# Altium PCB Gould.PcbDoc (part 1 of 2) (continued)
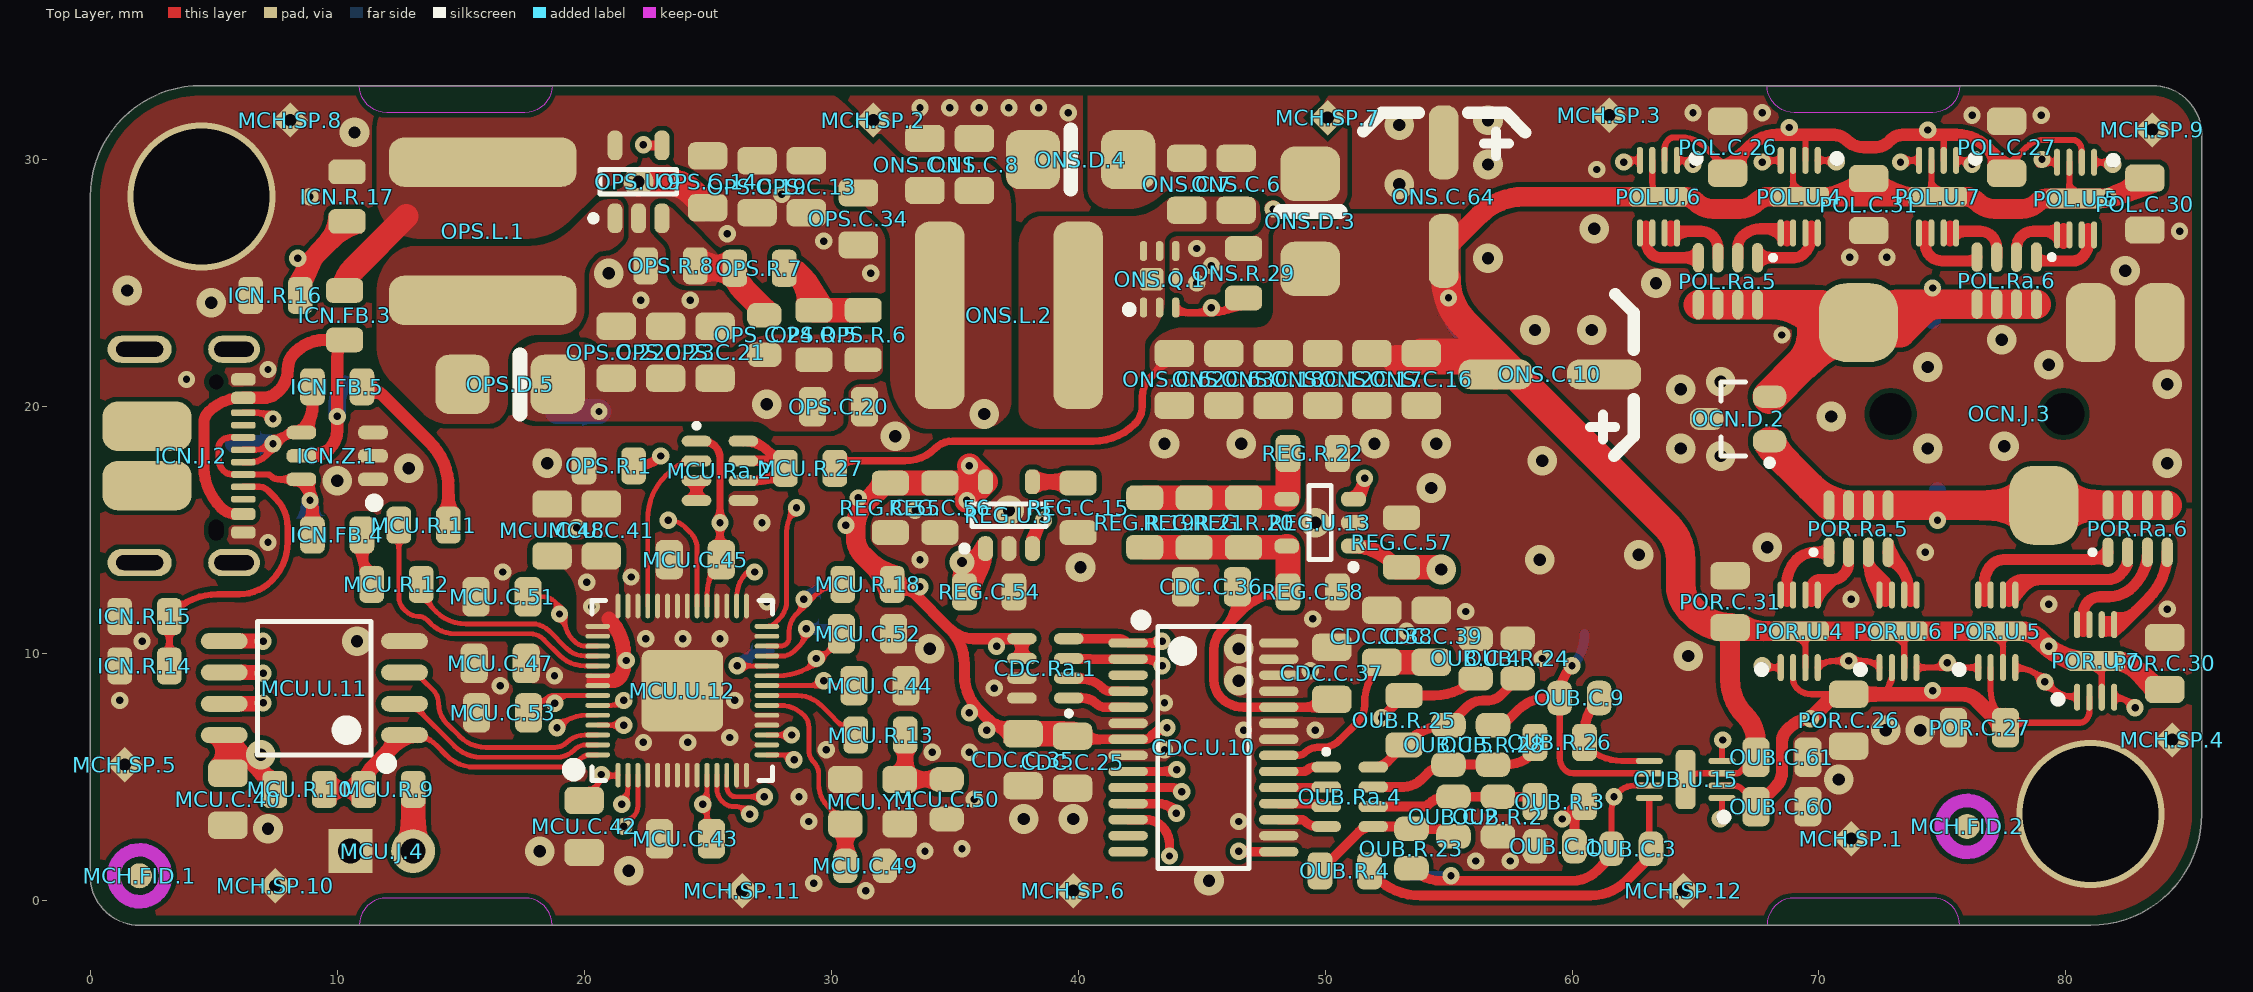
[diagram p0: Top Layer view]
## Design rules (kind name [scope] priority, off if disabled: settings) (continued)
PolygonConnect [All] p3: connectstyle=Direct reliefconductorwidth=0.5 reliefentries=4 polygonreliefangle="90 Angle" airgapwidth=0.25
RoutingVias [All] p1: holewidth=0.5 width=1 viastyle="Through Hole" minholewidth=0.2 minwidth=0.5 maxholewidth=6 maxwidth=8
ShortCircuit [Not (InPadClass('TraceResistorPads')) vs Not (InPadClass('TraceResistorPads'))] p1: allowed=FALSE
SilkToBoardRegionClearance [All] p1 off:
SilkToSilkClearance [All] p1 off: silktosilkclearance=0.254
SilkToSolderMaskClearance SilkscreenOverComponentPads [IsPad] p1: minsilkscreentomaskgap=0.102 clearancetoexposedcopper=FALSE
SolderMaskExpansion SolderMaskExpansion-Vias [IsVia] p1: expansion=0.102 istentingtop=TRUE // Rule to force all vias to be tented.
SolderMaskExpansion [All] p2: expansion=0.076 istentingtop=FALSE
Width [All] p1: maxlimit=50.8 minlimit=0.2 preferedwidth=0.4 substack1={769A8C6D-1C2C-4ABD-9F78-73D1337B8DA3} toplayer_{769a8c6d-1c2c-4abd-9f78-73d1337b8da3}_minwidth=0.26 midlayer1_{769a8c6d-1c2c-4abd-9f78-73d1337b8da3}_minwidth=0.26 midlayer2_{769a8c6d-1c2c-4abd-9f78-73d1337b8da3}_minwidth=0.26 midlayer3_{769a8c6d-1c2c-4abd-9f78-73d1337b8da3}_minwidth=0.26 midlayer4_{769a8c6d-1c2c-4abd-9f78-73d1337b8da3}_minwidth=0.26 bottomlayer_{769a8c6d-1c2c-4abd-9f78-73d1337b8da3}_minwidth=0.26 midlayer1_minwidth=0.35 midlayer2_minwidth=0.3 midlayer3_minwidth=0.3 midlayer4_minwidth=0.35 substack2={A03B90BE-C57E-4979-B836-CB99E35B1D7B} toplayer_{a03b90be-c57e-4979-b836-cb99e35b1d7b}_maxwidth=50 midlayer1_{a03b90be-c57e-4979-b836-cb99e35b1d7b}_minwidth=0.3 midlayer1_{a03b90be-c57e-4979-b836-cb99e35b1d7b}_maxwidth=50 midlayer2_{a03b90be-c57e-4979-b836-cb99e35b1d7b}_minwidth=0.3 midlayer2_{a03b90be-c57e-4979-b836-cb99e35b1d7b}_maxwidth=50 midlayer3_{a03b90be-c57e-4979-b836-cb99e35b1d7b}_minwidth=0.3 midlayer3_{a03b90be-c57e-4979-b836-cb99e35b1d7b}_maxwidth=50 midlayer4_{a03b90be-c57e-4979-b836-cb99e35b1d7b}_minwidth=0.3 midlayer4_{a03b90be-c57e-4979-b836-cb99e35b1d7b}_maxwidth=50 bottomlayer_{a03b90be-c57e-4979-b836-cb99e35b1d7b}_maxwidth=50 minimp=50.000000 maximp=50.000000 favimp=50.000000
15 further rules are at their usual default settings.

## Classes and differential pairs
component class ONS: ONS.C.6 ONS.C.7 ONS.C.8 ONS.C.10 ONS.C.11 ONS.C.12 ONS.C.16 ONS.C.17 ONS.C.18 ONS.C.62 ONS.C.63 ONS.C.64 ONS.D.3 ONS.D.4 ONS.L.2 ONS.Q.1 ONS.R.29 ONS.TP.16
component class OUB: OUB.C.1 OUB.C.2 OUB.C.3 OUB.C.4 OUB.C.5 OUB.C.9 OUB.C.60 OUB.C.61 OUB.R.2 OUB.R.3 OUB.R.4 OUB.R.23 OUB.R.24 OUB.R.25 OUB.R.26 OUB.R.28 OUB.Ra.3 OUB.Ra.4 OUB.Ra.7 OUB.TP.4 OUB.TP.10 OUB.U.15
component class REG: REG.C.15 REG.C.54 REG.C.55 REG.C.56 REG.C.57 REG.C.58 REG.R.19 REG.R.20 REG.R.21 REG.R.22 REG.U.3 REG.U.13
component class OPS: OPS.C.13 OPS.C.14 OPS.C.19 OPS.C.20 OPS.C.21 OPS.C.22 OPS.C.23 OPS.C.24 OPS.C.34 OPS.D.5 OPS.L.1 OPS.R.1 OPS.R.5 OPS.R.6 OPS.R.7 OPS.R.8 OPS.TP.17 OPS.U.9
component class MCU: MCU.C.40 MCU.C.41 MCU.C.42 MCU.C.43 MCU.C.44 MCU.C.45 MCU.C.47 MCU.C.48 MCU.C.49 MCU.C.50 MCU.C.51 MCU.C.52 MCU.C.53 MCU.J.4 MCU.R.9 MCU.R.10 MCU.R.11 MCU.R.12 MCU.R.13 MCU.R.18 MCU.R.27 MCU.Ra.2 MCU.TP.5 MCU.TP.6 MCU.TP.7 MCU.U.11 MCU.U.12 MCU.Y.1
component class CDC: CDC.C.25 CDC.C.35 CDC.C.36 CDC.C.37 CDC.C.38 CDC.C.39 CDC.Ra.1 CDC.U.10
channel class PowerAmplifier: POL POR
component class POR: POR.C.26 POR.C.27 POR.C.30 POR.C.31 POR.Ra.5 POR.Ra.6 POR.U.4 POR.U.5 POR.U.6 POR.U.7
component class POL: POL.C.26 POL.C.27 POL.C.30 POL.C.31 POL.Ra.5 POL.Ra.6 POL.U.4 POL.U.5 POL.U.6 POL.U.7
component class OCN: OCN.D.2 OCN.J.3 OCN.TP.13 OCN.TP.14 OCN.TP.15
component class ICN: ICN.FB.3 ICN.FB.4 ICN.FB.5 ICN.J.2 ICN.R.14 ICN.R.15 ICN.R.16 ICN.R.17 ICN.TP.1 ICN.TP.3 ICN.TP.12 ICN.Z.1
component class MCH: MCH.FID.1 MCH.FID.2 MCH.SP.1 MCH.SP.2 MCH.SP.3 MCH.SP.4 MCH.SP.5 MCH.SP.6 MCH.SP.7 MCH.SP.8 MCH.SP.9 MCH.SP.10 MCH.SP.11 MCH.SP.12

## Components (designator, comment, footprint, x,y, rotation, side; value= is the part's Value field where it differs from the comment)
CDC.C.25 "0805 X5R" "0805 - TALL" 39.775,5.6 r180 top value="0.1uF 100V" (schematic designator C25)
CDC.C.35 "0805 X5R" "0805 - TALL" 37.775,5.7 r180 top value="10uF 25V" (schematic designator C35)
CDC.C.36 "0805 X5R" "0805 - TALL" 45.4,12.7 r90 top value="10uF 25V" (schematic designator C36)
CDC.C.37 "0805 X5R" "0805 - TALL" 50.275,9.2 r0 top value="0.1uF 100V" (schematic designator C37)
CDC.C.38 "0805 X5R" "0805 - TALL" 52.3,10.7 r180 top value="10uF 25V" (schematic designator C38)
CDC.C.39 "0805 X5R" "0805 - TALL" 54.3,10.7 r180 top value="0.1uF 100V" (schematic designator C39)
CDC.Ra.1 "1206 Quad" "4X 1K 1% - CAC-80P320X160-8M" 38.675,9.4 r180 top value="1k 1%" (schematic designator Ra1)
CDC.U.10 "PCM3060" "PCM3060 - TSOP65P640X120-28M" 45.075,6.2 r0 top (schematic designator U10)
ICN.FB.3 "ACML-0805-601-T" 0805 10.3,23.7 r180 top (schematic designator FB3)
ICN.FB.4 "ACML-0805-601-T" 0805 10,14.8 r90 top (schematic designator FB4)
ICN.FB.5 "ACML-0805-601-T" 0805 10,20.8 r90 top (schematic designator FB5)
ICN.J.2 "DX07S016JA1R1500" DX07S016JA1R1500 3.2,18 r270 top (schematic designator J2)
ICN.R.14 "0805" 0805 2.2,9.5 r90 top value="10k 1%" (schematic designator R14)
ICN.R.15 "0805" 0805 2.2,11.5 r90 top value="10k 1%" (schematic designator R15)
ICN.R.16 "0805" 0805 7.5,24.5 r90 top value="10k 1%" (schematic designator R16)
ICN.R.17 "0805" 0805 10.4,28.5 r0 top value="10k 1%" (schematic designator R17)
ICN.TP.1 "TestPointHook" S2751-46R 5.8,18.5 r90 bottom (schematic designator TP1)
ICN.TP.3 "TestPointHook" S2751-46R 9,14.5 r180 bottom (schematic designator TP3)
ICN.TP.12 "TestPointHook" S2751-46R 10.3,20.9 r90 bottom (schematic designator TP12)
ICN.Z.1 "IP4220CZ6,125" "PESD3V3S4UD - SOT95P275X110-6N" 10,18 r180 top (schematic designator Z1)
MCH.FID.1 "IPC-7351 Fiducial 1mm" FIDUCIAL_1.5 2,1 r90 top (schematic designator FID1)
MCH.FID.2 "IPC-7351 Fiducial 1mm" FIDUCIAL_1.5 76,3 r90 top (schematic designator FID2)
MCH.SP.1 "Spark Gap" SparkGap 71.3,2.5 r90 top (schematic designator SP1)
MCH.SP.2 "Spark Gap" SparkGap 31.7,31.6 r90 top (schematic designator SP2)
MCH.SP.3 "Spark Gap" SparkGap 61.5,31.8 r90 top (schematic designator SP3)
MCH.SP.4 "Spark Gap" SparkGap 84.3,6.5 r90 top (schematic designator SP4)
MCH.SP.5 "Spark Gap" SparkGap 1.4,5.5 r90 top (schematic designator SP5)
MCH.SP.6 "Spark Gap" SparkGap 39.8,0.4 r90 top (schematic designator SP6)
MCH.SP.7 "Spark Gap" SparkGap 50.1,31.7 r90 top (schematic designator SP7)
MCH.SP.8 "Spark Gap" SparkGap 8.1,31.6 r90 top (schematic designator SP8)
MCH.SP.9 "Spark Gap" SparkGap 83.5,31.2 r90 top (schematic designator SP9)
MCH.SP.10 "Spark Gap" SparkGap 7.5,0.6 r90 top (schematic designator SP10)
MCH.SP.11 "Spark Gap" SparkGap 26.4,0.4 r90 top (schematic designator SP11)
MCH.SP.12 "Spark Gap" SparkGap 64.5,0.4 r90 top (schematic designator SP12)
MCU.C.40 "0805 X5R" "0805 - TALL" 5.575,4.1 r180 top value="0.1uF 100V" (schematic designator C40)
MCU.C.41 "0805 X5R" "0805 - TALL" 20.7,15 r0 top value="1uF 25V" (schematic designator C41)
MCU.C.42 "0805 X5R" "0805 - TALL" 20,3 r180 top value="0.1uF 100V" (schematic designator C42)
MCU.C.43 "0805 X5R" "0805 - TALL" 24.1,2.5 r90 top value="0.1uF 100V" (schematic designator C43)
MCU.C.44 "0805 X5R" "0805 - TALL" 31.975,8.7 r270 top value="0.1uF 100V" (schematic designator C44)
MCU.C.45 "0805 X5R" "0805 - TALL" 24.5,13.8 r90 top value="0.1uF 100V" (schematic designator C45)
MCU.C.47 "0805 X5R" "0805 - TALL" 16.6,9.6 r90 top value="0.1uF 100V" (schematic designator C47)
MCU.C.48 "0805 X5R" "0805 - TALL" 18.7,15 r0 top value="0.1uF 100V" (schematic designator C48)
MCU.C.49 "0603" 0603 31.375,1.4 r270 top value="18pF 50V" (schematic designator C49)
MCU.C.50 "0603" 0603 34.675,4.1 r0 top value="18pF 50V" (schematic designator C50)
MCU.C.51 "0805 X5R" "0805 - TALL" 16.675,12.3 r90 top value="1uF 25V" (schematic designator C51)
MCU.C.52 "0805 X5R" "0805 - TALL" 31.475,10.8 r270 top value="0.1uF 100V" (schematic designator C52)
MCU.C.53 "0805 X5R" "0805 - TALL" 16.7,7.6 r90 top value="0.1uF 100V" (schematic designator C53)
MCU.J.4 "HEADER2" 2x1 10.535,2 r90 top (schematic designator J4)
MCU.R.9 "0805" 0805 12.075,4.5 r270 top value="1k 1%" (schematic designator R9)
MCU.R.10 "0805" 0805 8.475,4.5 r90 top value="10k 1%" (schematic designator R10)
MCU.R.11 "0805" 0805 13.5,15.2 r90 top value="22R 1%" (schematic designator R11)
MCU.R.12 "0805" 0805 12.4,12.8 r270 top value="22R 1%" (schematic designator R12)
MCU.R.13 "0805" 0805 32,6.7 r90 top value="1k 1%" (schematic designator R13)
MCU.R.18 "0805" 0805 31.475,12.8 r270 top value="1k 1%" (schematic designator R18)
MCU.R.27 "0805" 0805 29.15,17.5 r270 top value="100k 1%" (schematic designator R27)
MCU.Ra.2 "1206 Quad" "4x 10k 1% - CAC-80P320X160-8M" 25.5,17.4 r0 top value="10k 1%" (schematic designator Ra2)
MCU.TP.5 "TestPointHook" S2751-46R 30.6,11.1 r90 bottom (schematic designator TP5)
MCU.TP.6 "TestPointHook" S2751-46R 30.6,12.8 r270 bottom (schematic designator TP6)
MCU.TP.7 "TestPointHook" S2751-46R 27.5,10.1 r180 bottom (schematic designator TP7)
MCU.U.11 "W25Q16JVSSIQ" "W25Q128JVS - SOIC127P790X216-8M" 9.075,8.6 r180 top (schematic designator U11)
MCU.U.12 "RP2040" "RP2040 - QFN40P700X700X90_HS-57M" 23.975,8.5 r90 top (schematic designator U12)
MCU.Y.1 "RH100-12.000-16-3030" RH100-12.000-16-3030 31.675,4 r0 top (schematic designator Y1)
OCN.D.2 "S23CC12" "S23CC12 - SOT90P240X110-3M" 66.725,19.5 r180 top (schematic designator D2)
OCN.J.3 "SJ-43514-SMT-TR" SJ-43514-SMT-TR 76.9,19.7 r180 top (schematic designator J3)
OCN.TP.13 "TestPointHook" S2751-46R 82.1,17.7 r90 bottom (schematic designator TP13)
OCN.TP.14 "TestPointHook" S2751-46R 74.8,16.6 r90 bottom (schematic designator TP14)
OCN.TP.15 "TestPointHook" S2751-46R 74.6,23.5 r90 bottom (schematic designator TP15)
ONS.C.6 "0805 X5R" "0805 - TALL" 46.4,29 r0 top value="10uF 25V" (schematic designator C6)
ONS.C.7 "0805 X5R" "0805 - TALL" 44.4,29 r0 top value="10uF 25V" (schematic designator C7)
ONS.C.8 "0805 X5R" "0805 - TALL" 35.8,29.8 r0 top value="10uF 25V" (schematic designator C8)
ONS.C.10 "UCM1C221MCL1GS" "SMT cap -  6.6mm x 6.6mm land" 59.1,21.3 r180 top value=220uF (schematic designator C10)
ONS.C.11 "0805 X5R" "0805 - TALL" 33.8,29.8 r0 top value="10uF 25V" (schematic designator C11)
ONS.C.12 "0805 X5R" "0805 - TALL" 49.9,21.1 r0 top value="10uF 25V" (schematic designator C12)
ONS.C.16 "0805 X5R" "0805 - TALL" 53.9,21.1 r0 top value="10uF 25V" (schematic designator C16)
ONS.C.17 "0805 X5R" "0805 - TALL" 51.9,21.1 r0 top value="10uF 25V" (schematic designator C17)
ONS.C.18 "0805 X5R" "0805 - TALL" 47.9,21.1 r0 top value="10uF 25V" (schematic designator C18)
ONS.C.62 "0805 X5R" "0805 - TALL" 43.9,21.1 r0 top value="10uF 25V" (schematic designator C62)
ONS.C.63 "0805 X5R" "0805 - TALL" 45.9,21.1 r0 top value="10uF 25V" (schematic designator C63)
ONS.C.64 "UCM1C221MCL1GS" "SMT cap -  6.6mm x 6.6mm land" 54.8,28.5 r270 top value=220uF (schematic designator C64)
ONS.D.3 "SSA210" "SSA210 - DO-214AC" 49.4,27.5 r0 top (schematic designator D3)
ONS.D.4 "SSA210" "SSA210 - DO-214AC" 40.1,30 r90 top (schematic designator D4)
ONS.L.2 "NRS8040T100MJGJ" NRS8040T100MJGJ 37.2,23.7 r0 top (schematic designator L2)
ONS.Q.1 "CSD16301Q2" "CSD16301Q2 - SON65P200X80_HS-7M" 43.3,25.155 r90 top (schematic designator Q1)
ONS.R.29 "0805" 0805 46.7,25.4 r0 top value="10k 1%" (schematic designator R29)
ONS.TP.16 "TestPointHook" S2751-46R 55.5,23 r90 bottom (schematic designator TP16)
OPS.C.13 "0805 X5R" "0805 - TALL" 29,28.9 r180 top value="10uF 25V" (schematic designator C13)
OPS.C.14 "0805 X5R" "0805 - TALL" 25,29.1 r180 top value="1uF 25V" (schematic designator C14)
OPS.C.19 "0805 X5R" "0805 - TALL" 27,28.9 r180 top value="10uF 25V" (schematic designator C19)
OPS.C.20 "0805 X5R" "0805 - TALL" 30.3,20 r270 top value="10uF 25V" (schematic designator C20)
OPS.C.21 "0805 X5R" "0805 - TALL" 25.3,22.2 r0 top value="10uF 25V" (schematic designator C21)
OPS.C.22 "0805 X5R" "0805 - TALL" 21.3,22.2 r0 top value="10uF 25V" (schematic designator C22)
OPS.C.23 "0805 X5R" "0805 - TALL" 23.3,22.2 r0 top value="1uF 25V" (schematic designator C23)
OPS.C.24 "0603" 0603 27.3,22.9 r180 top value="820pF 25V 5% C0G" (schematic designator C24)
OPS.C.34 "0805 X5R" "0805 - TALL" 31.1,27.6 r180 top value="10uF 25V" (schematic designator C34)
OPS.D.5 "SSA210" "SSA210 - DO-214AC" 17,20.9 r270 top (schematic designator D5)
OPS.L.1 "NRS8040T100MJGJ" NRS8040T100MJGJ 15.9,27.1 r270 top (schematic designator L1)
OPS.R.1 "0805" 0805 21,17.6 r90 top value="10k 1%" (schematic designator R1)
OPS.R.5 "0805" 0805 29.3,22.9 r0 top value="100k 1%" (schematic designator R5)
OPS.R.6 "0805" 0805 31.3,22.9 r0 top value="100k 1%" (schematic designator R6)
OPS.R.7 "0805" 0805 27.1,25.6 r90 top value="10k 1%" (schematic designator R7)
OPS.R.8 "0805" 0805 23.5,25.7 r90 top value="10k 1%" (schematic designator R8)
OPS.TP.17 "TestPointHook" S2751-46R 18.9,19.8 r90 bottom (schematic designator TP17)
OPS.U.9 "LM2735YMF" "LM2735XMF - SOT95P280X145-5M" 22.2,29.1 r90 top (schematic designator U9)
OUB.C.1 "0603" 0603 59.3,2.2 r90 top value="56pF 50V 5% C0G" (schematic designator C1)
OUB.C.2 "0603" 0603 55.2,3.4 r0 top value="820pF 25V 5% C0G" (schematic designator C2)
OUB.C.3 "0603" 0603 62.4,2.1 r90 top value="56pF 50V 5% C0G" (schematic designator C3)
OUB.C.4 "0603" 0603 56.1,9.8 r0 top value="56pF 50V 5% C0G" (schematic designator C4)
OUB.C.5 "0603" 0603 55,6.3 r0 top value="820pF 25V 5% C0G" (schematic designator C5)
OUB.C.9 "0603" 0603 60.3,8.2 r90 top value="56pF 50V 5% C0G" (schematic designator C9)
OUB.C.60 "0805 X5R" "0805 - TALL" 68.5,3.8 r270 top value="0.1uF 100V" (schematic designator C60)
OUB.C.61 "0805 X5R" "0805 - TALL" 68.5,5.8 r90 top value="0.1uF 100V" (schematic designator C61)
OUB.R.2 "0603" 0603 57,3.4 r0 top value="56k 1%" (schematic designator R2)
OUB.R.3 "0805" 0805 59.5,4 r90 top value="1k 1%" (schematic designator R3)
OUB.R.4 "0805" 0805 50.8,1.2 r90 top value="1k 1%" (schematic designator R4)
OUB.R.23 "0603" 0603 53.5,2.1 r0 top value="56k 1%" (schematic designator R23)
OUB.R.24 "0603" 0603 57.8,9.8 r180 top value="56k 1%" (schematic designator R24)
OUB.R.25 "0805" 0805 53.2,7.3 r180 top value="1k 1%" (schematic designator R25)
OUB.R.26 "0805" 0805 59.5,6.4 r90 top value="1k 1%" (schematic designator R26)
OUB.R.28 "0603" 0603 56.8,6.3 r180 top value="56k 1%" (schematic designator R28)
OUB.Ra.4 "1206 Quad" "4x 10k 1% - CAC-80P320X160-8M" 51,4.2 r0 top value="10k 1%" (schematic designator Ra4)
OUB.TP.4 "TestPointHook" S2751-46R 53.5,1 r90 bottom (schematic designator TP4)
OUB.TP.10 "TestPointHook" S2751-46R 60.5,10.8 r90 bottom (schematic designator TP10)
OUB.U.15 "OPA1688IDRGx" "OPA1688 - SON50P300X80_HS-9M" 64.6,4.9 r180 top (schematic designator U15)
POL.C.26 "0805 X5R" "0805 - TALL" 66.3,30.5 r0 top value="0.1uF 100V" (schematic designator C26)
POL.C.27 "0805 X5R" "0805 - TALL" 77.6,30.5 r0 top value="0.1uF 100V" (schematic designator C27)
POL.C.30 "0805 X5R" "0805 - TALL" 83.2,28.2 r0 top value="0.1uF 100V" (schematic designator C30)
POL.C.31 "0805 X5R" "0805 - TALL" 72.012,28.178 r0 top value="0.1uF 100V" (schematic designator C31)
POL.Ra.5 "1206 Quad" "4X 1R 5% - CAC-80P320X160-8M" 66.312,25.078 r270 top value="1R 5%" (schematic designator Ra5)
POL.Ra.6 "1206 Quad" "4X 1R 5% - CAC-80P320X160-8M" 77.6,25.1 r270 top value="1R 5%" (schematic designator Ra6)
POL.U.4 "OPA1688IDRGx" "OPA1688 - SON50P300X80_HS-9M" 69.2,28.5 r270 top (schematic designator U4)
POL.U.5 "OPA1688IDRGx" "OPA1688 - SON50P300X80_HS-9M" 80.387,28.422 r270 top (schematic designator U5)
POL.U.6 "OPA1688IDRGx" "OPA1688 - SON50P300X80_HS-9M" 63.5,28.5 r270 top (schematic designator U6)
POL.U.7 "OPA1688IDRGx" "OPA1688 - SON50P300X80_HS-9M" 74.8,28.5 r270 top (schematic designator U7)
POR.C.26 "0805 X5R" "0805 - TALL" 71.2,7.3 r180 top value="0.1uF 100V" (schematic designator C26)
POR.C.27 "0805 X5R" "0805 - TALL" 76.5,7 r90 top value="0.1uF 100V" (schematic designator C27)
POR.C.30 "0805 X5R" "0805 - TALL" 84,9.6 r180 top value="0.1uF 100V" (schematic designator C30)
POR.C.31 "0805 X5R" "0805 - TALL" 66.4,12.1 r180 top value="0.1uF 100V" (schematic designator C31)
POR.Ra.5 "1206 Quad" "4X 1R 5% - CAC-80P320X160-8M" 71.6,15.05 r90 top value="1R 5%" (schematic designator Ra5)
POR.Ra.6 "1206 Quad" "4X 1R 5% - CAC-80P320X160-8M" 82.9,15.05 r90 top value="1R 5%" (schematic designator Ra6)
POR.U.4 "OPA1688IDRGx" "OPA1688 - SON50P300X80_HS-9M" 69.2,10.9 r90 top (schematic designator U4)
POR.U.5 "OPA1688IDRGx" "OPA1688 - SON50P300X80_HS-9M" 77.2,10.9 r90 top (schematic designator U5)
POR.U.6 "OPA1688IDRGx" "OPA1688 - SON50P300X80_HS-9M" 73.2,10.9 r90 top (schematic designator U6)
POR.U.7 "OPA1688IDRGx" "OPA1688 - SON50P300X80_HS-9M" 81.2,9.7 r90 top (schematic designator U7)
REG.C.15 "0805" 0805 40,15.9 r180 top value="100pF 100V" (schematic designator C15)
REG.C.54 "0805" 0805 36.4,12.5 r270 top value="1uF 25V" (schematic designator C54)
REG.C.55 "0805" 0805 32.4,15.9 r180 top value="10uF 25V" (schematic designator C55)
REG.C.56 "0805" 0805 34.4,15.9 r180 top value="1uF 25V" (schematic designator C56)
REG.C.57 "0805" 0805 53.1,14.5 r0 top value="1uF 25V" (schematic designator C57)
REG.C.58 "0805" 0805 49.5,12.5 r270 top value="1uF 25V" (schematic designator C58)
REG.R.19 "0805" 0805 42.7,15.3 r0 top value="10k 1%" (schematic designator R19)
REG.R.20 "0805" 0805 46.7,15.3 r0 top value="10k 1%" (schematic designator R20)
REG.R.21 "0805" 0805 44.7,15.3 r0 top value="100k 1%" (schematic designator R21)
REG.R.22 "0805" 0805 49.5,18.1 r270 top value="1k 1%" (schematic designator R22)
REG.U.3 "AP2202K-3.3" "AP2202 - SOT95P270X145-5N" 37.2,15.6 r90 top (schematic designator U3)
REG.U.13 "AP7330-W5" "AP7330-W5 - SOT95P270X145-5N" 49.8,15.3 r180 top (schematic designator U13)

## Footprints (in the part's own frame and the unit in brackets; to place one, negate y for a bottom-side part, rotate by r counter-clockwise, add the part's x,y. Pads: shape width x height; smd on the part's side, far side on the other; paste and mask are expansions set on the pad)
2x1 [mil]
  rect 70x70 hole 40 paste-3897.64: 1(0,0)
  round 70 hole 40 paste-3897.64: 2(0,-100)
  body extent -50,-150 50,50, height 339
"4X 1K 1% - CAC-80P320X160-8M" [mm] "Chip Array, Concave, 8-Leads, Pitch 0.80mm,  Body 3.20x1.60mm,  IPC Low Density"
  oval 1.2x0.45 smd paste-99: 1(-0.95,1.2) 2(-0.95,0.4) 3(-0.95,-0.4) 4(-0.95,-1.2) 5(0.95,-1.2) 6(0.95,-0.4) 7(0.95,0.4) 8(0.95,1.2)
  silkscreen extent -1,1.78 -0.9,1.87, body extent -0.9,-1.7 0.9,1.7, height 0.6
"4X 1R 5% - CAC-80P320X160-8M" [mm] "Chip Array, Concave, 8-Leads, Pitch 0.80mm,  Body 3.20x1.60mm,  IPC Low Density"
  oval 1.2x0.45 smd paste-99: 1(-0.95,1.2) 2(-0.95,0.4) 3(-0.95,-0.4) 4(-0.95,-1.2) 5(0.95,-1.2) 6(0.95,-0.4) 7(0.95,0.4) 8(0.95,1.2)
  silkscreen extent -1,1.78 -0.9,1.88, body extent -0.9,-1.7 0.9,1.7, height 0.6
"4x 10k 1% - CAC-80P320X160-8M" [mm] "Chip Array, Concave, 8-Leads, Pitch 0.80mm,  Body 3.20x1.60mm,  IPC Low Density"
  oval 1.2x0.45 smd paste-99: 1(-0.95,1.2) 2(-0.95,0.4) 3(-0.95,-0.4) 4(-0.95,-1.2) 5(0.95,-1.2) 6(0.95,-0.4) 7(0.95,0.4) 8(0.95,1.2)
  silkscreen extent -1,1.78 -0.9,1.87, body extent -0.9,-1.7 0.9,1.7, height 0.6
0603 [mm] "Chip Capacitor, 2-Leads, Body 1.6x0.8mm, IPC Medium Density"
  rrect70% 1.4x1 smd paste+0: 1(0,-0.8) 2(0,0.8)
  body extent -0.48,-0.88 0.48,0.87, height 0.65
0805 [mm] "Chip Capacitor, 2-Leads, Body 2.0x1.3mm, IPC Medium Density"
  rrect50% 1.5x1 smd paste+0: 1(0,1.002) 2(0,-1.002)
  body extent -0.72,-1.1 0.72,1.1, height 0.8
"0805 - TALL" [mm] "Same as 0805 footprint, but solder mask is adjusted to leave more paste behind for tall (>0.9mm) components like big caps, which tend to be solder-starved on the regular footprint."
  rrect50% 1.6x1.1 smd paste+0: 1(0,1.052) 2(0,-1.052)
  body extent -0.72,-1.1 0.72,1.1, height 0.8
"AP2202 - SOT95P270X145-5N" [mm] "SOT23, 5-Leads, Body 2.92x2.70mm, Pitch 0.95mm, IPC Medium Density"
  rrect80% 1x0.6 smd paste-0.04: 1(-1.35,0.95) 2(-1.35,0) 3(-1.35,-0.95) 4(1.35,-0.95) 5(1.35,0.95)
  silkscreen extent -1.47,-1.5 0.45,1.92, body extent -0.85,-1.52 0.85,1.52, height 1.45
"AP7330-W5 - SOT95P270X145-5N" [mm] "SOT23, 5-Leads, Body 2.92x2.70mm, Pitch 0.95mm, IPC Medium Density"
  rrect80% 1x0.6 smd paste-0.04: 1(-1.35,0.95) 2(-1.35,0) 3(-1.35,-0.95) 4(1.35,-0.95) 5(1.35,0.95)
  silkscreen extent -1.48,-1.5 0.45,1.92, body extent -0.85,-1.52 0.85,1.52, height 1.45
"CSD16301Q2 - SON65P200X80_HS-7M" [mm] "SON, 6-Leads, Body 2.00x2.00mm, Pitch 0.65mm, Thermal Pad 0.95x0.89mm, IPC Low Density"
  rrect80% 0.8x0.3 smd paste-99 mask+0.06: D(-1.145,0) D(-1.145,0.65) D(1.145,0) D(1.145,0.65) G(-1.145,-0.65) S(0.05,-0.65) S(1.145,-0.65)
  rrect30% 0.9x0.95 smd paste-99 mask+0.06: D(0,0.325)
  silkscreen extent -1.27,1.18 -1.18,1.27, body extent -1.05,-1.05 1.05,1.05, height 0.8
DX07S016JA1R1500 [mm] "USB-C (USB TYPE-C) USB 2.0 Receptacle Connector 24 (16+8 Dummy) Position Surface Mount, Right Angle; Through Hole"
  rrect70% 0.5x1 smd paste-0.05 mask+0.05: 1(-3.1,3) 2(-2.35,3) 11(2.35,3) 12(3.1,3)
  rrect70% 0.27x1 smd paste-0.04 mask+0.05: 3(-1.75,3) 4(-1.25,3) 5(-0.75,3) 6(-0.25,3) 7(0.25,3) 8(0.75,3) 9(1.25,3) 10(1.75,3)
  rrect100% 1.1x2.1 hole 0.6 slot 1.6 at 90 deg paste-99 mask+0.1: SHELL(-4.32,2.625) SHELL(4.32,2.625)
  rrect100% 1.1x2.6 hole 0.6 slot 1.9 at 90 deg paste-99 mask+0.1: SHELL(-4.32,-1.2) SHELL(4.32,-1.2)
  rrect60% 2x3.6 smd paste-0.12 mask+0.05: SHELL(-1.2,-0.9) SHELL(1.2,-0.9)
  round 0 hole 0.6: ""(-3,1.9)
  round 0 hole 0.6 slot 0.85 at 0 deg: ""(3,1.9)
  body extent -4.47,-3.65 4.47,3.25, height 3.18
FIDUCIAL_1.5 [mil]
  round 40 smd paste-60 mask+30: 1(0,0)
  Top Layer keep-out circle w21.65: c0,0 r41.34
"LM2735XMF - SOT95P280X145-5M" [mm] "SOT23, 5-Leads, Body 2.90x2.80mm, Pitch 0.95mm, IPC Low Density"
  rrect80% 1.2x0.6 smd paste-0.04: 1(-1.475,0.95) 2(-1.475,0) 3(-1.475,-0.95) 4(1.475,-0.95) 5(1.475,0.95)
  silkscreen extent -1.6,-1.55 0.5,1.95, body extent -0.88,-1.52 0.87,1.53, height 1.45
NRS8040T100MJGJ [mm] "Inductor"
  rrect60% 2x7.6 smd paste-99: 1(-2.8,0) 2(2.8,0)
  body extent -4,-4 4,4, height 3.3
"OPA1688 - SON50P300X80_HS-9M" [mm] "SON, 8-Leads, Body 3.00x3.00mm, Pitch 0.50mm, Thermal Pad 2.00x1.20mm, IPC Low Density"
  rrect100% 1.1x0.25 smd paste-99: 1(-1.47,0.75) 2(-1.47,0.25) 3(-1.47,-0.25) 4(-1.47,-0.75) 5(1.47,-0.75) 6(1.47,-0.25) 7(1.47,0.25) 8(1.47,0.75)
  rrect50% 0.8x2.4 smd paste-99: 3(0,0)
  silkscreen extent -1.6,1.48 -1.5,1.57, body extent -1.55,-1.55 1.55,1.55, height 0.8
"PCM3060 - TSOP65P640X120-28M" [mm] "TSOP, 28-Leads, Body 9.70x4.40mm, Pitch 0.65mm, IPC Low Density"
  oval 1.6x0.38 smd paste-99: 1(-3.05,4.225) 2(-3.05,3.575) 3(-3.05,2.925) 4(-3.05,2.275) 5(-3.05,1.625) 6(-3.05,0.975) 7(-3.05,0.325) 8(-3.05,-0.325) 9(-3.05,-0.975) 10(-3.05,-1.625) 11(-3.05,-2.275) 12(-3.05,-2.925) 13(-3.05,-3.575) 14(-3.05,-4.225) 15(3.05,-4.225) 16(3.05,-3.575) 17(3.05,-2.925) 18(3.05,-2.275) 19(3.05,-1.625) 20(3.05,-0.975) 21(3.05,-0.325) 22(3.05,0.325) 23(3.05,0.975) 24(3.05,1.625) 25(3.05,2.275) 26(3.05,2.925) 27(3.05,3.575) 28(3.05,4.225)
  silkscreen extent -2.65,-4.9 1.85,5.27, body extent -2.25,-4.9 2.25,4.9, height 1.2
"PESD3V3S4UD - SOT95P275X110-6N" [mm] "SOT23, 6-Leads, Body 2.90x2.75mm, Pitch 0.95mm, IPC Medium Density"
  rrect80% 1.2x0.55 smd paste-0.03 mask+0.085: 1(-1.45,0.95) 2(-1.45,0) 3(-1.45,-0.95) 4(1.45,-0.95) 5(1.45,0) 6(1.45,0.95)
  silkscreen extent -1.63,1.78 -1.38,2.02, body extent -0.85,-1.55 0.85,1.55, height 1.1
RH100-12.000-16-3030 [mm] "3.2mm x 2.5mm crystal"
  rrect50% 1.4x1.1 smd paste-0.1: 1(-1.1,-0.9) 2(1.1,-0.9) 3(1.1,0.9) 4(-1.1,0.9)
  body extent -1.6,-1.25 1.6,1.25, height 1
"RP2040 - QFN40P700X700X90_HS-57M" [mm] "QFN, 56-Leads, Body 7.00x7.00mm, Pitch 0.40mm, Thermal Pad 3.10x3.10mm, IPC Low Density"
  oval 1x0.2 smd paste-99 mask+0.05: 1(-3.425,2.6) 2(-3.425,2.2) 3(-3.425,1.8) 4(-3.425,1.4) 5(-3.425,1) 6(-3.425,0.6) 7(-3.425,0.2) 8(-3.425,-0.2) 9(-3.425,-0.6) 10(-3.425,-1) 11(-3.425,-1.4) 12(-3.425,-1.8) 13(-3.425,-2.2) 14(-3.425,-2.6) 29(3.425,-2.6) 30(3.425,-2.2) 31(3.425,-1.8) 32(3.425,-1.4) 33(3.425,-1) 34(3.425,-0.6) 35(3.425,-0.2) 36(3.425,0.2) 37(3.425,0.6) 38(3.425,1) 39(3.425,1.4) 40(3.425,1.8) 41(3.425,2.2) 42(3.425,2.6)
  oval 0.2x1 smd paste-99 mask+0.05: 15(-2.6,-3.425) 16(-2.2,-3.425) 17(-1.8,-3.425) 18(-1.4,-3.425) 19(-1,-3.425) 20(-0.6,-3.425) 21(-0.2,-3.425) 22(0.2,-3.425) 23(0.6,-3.425) 24(1,-3.425) 25(1.4,-3.425) 26(1.8,-3.425) 27(2.2,-3.425) 28(2.6,-3.425) 43(2.6,3.425) 44(2.2,3.425) 45(1.8,3.425) 46(1.4,3.425) 47(1,3.425) 48(0.6,3.425) 49(0.2,3.425) 50(-0.2,3.425) 51(-0.6,3.425) 52(-1,3.425) 53(-1.4,3.425) 54(-1.8,3.425) 55(-2.2,3.425) 56(-2.6,3.425)
  rrect20% 3.3x3.3 smd paste-99: 57(0,0)
  silkscreen extent -3.65,-3.65 3.65,4.52, body extent -3.5,-3.5 3.5,3.5, height 0.9
"S23CC12 - SOT90P240X110-3M" [mm] "SOT23, 3-Leads, Body 2.90x2.40mm, Pitch 0.90mm, IPC Low Density"
  rrect80% 1.35x0.9 smd paste-0.05: 1(-1.275,0.9) 2(-1.275,-0.9) 3(1.275,0)
  silkscreen extent -1.4,-1.5 0.7,1.9, body extent -0.7,-1.5 0.7,1.5, height 1.1
S2751-46R [mm]
  rrect40% 1.4x2.2 smd paste-0.051 mask+0.09: 1(0,0)
  body extent -0.6,-1 0.6,1, height 1.38
SJ-43514-SMT-TR [mm] "3.50mm (0.141\", 1/8\", Mini Plug) - Headphone Phone Jack Stereo (4 Conductor, TRRS) Connector Solder"
  rrect70% 2x3.2 smd paste-0.05: 1(-6.9,-3.7) 4(-4.1,-3.7)
  rrect70% 3.2x3.2 smd paste-0.05: 2(5.3,-3.7)
  rrect70% 2.8x3.2 smd paste-0.05: 3(-2.2,3.7)
  round 0 hole 1.7: 22(-3,0) 22(4,0)
  body extent -9.2,-4.5 8,4.5, height 5.1
"SMT cap -  6.6mm x 6.6mm land" [mm] "Electrolytic capacitor"
  rrect80% 3x1.2 smd paste-99: 1(-2.2,0) 2(2.2,0)
  silkscreen extent -3.4,-3.25 -1.63,3.3, body extent -3.3,-3.3 3.3,3.3, height 5.8
SparkGap [mil]
  rect 40x40 smd rot 45 paste-99 mask+4: 1(0,0)
  rect 40x40 smd far side rot 45 paste-99 mask+4: 1(0,0)
"SSA210 - DO-214AC" [mm] "Molded Diode, 2-Leads, Body 4.3x2.6mm, IPC LOW Density"
  rrect50% 2.4x2.2 smd paste-0.1: 1(0,1.925) 2(0,-1.925)
  silkscreen extent -1.2,0.4 1.2,0.4, body extent -1.46,-2.3 1.46,2.3, height 2.44
"W25Q128JVS - SOIC127P790X216-8M" [mm] "SOIC, 8-Leads, Body 5.28x5.28mm, Pitch 1.27mm, IPC Low Density"
  oval 1.9x0.65 smd paste-0.05: 1(-3.65,1.905) 2(-3.65,0.635) 3(-3.65,-0.635) 4(-3.65,-1.905) 5(3.65,-1.905) 6(3.65,-0.635) 7(3.65,0.635) 8(3.65,1.905)
  silkscreen extent -3.05,-2.7 2.3,3.17, body extent -2.7,-2.7 2.7,2.7, height 2.16

## Part data
CDC.C.25 CDC.C.37 CDC.C.39 MCU.C.40 MCU.C.42 MCU.C.43 MCU.C.44 MCU.C.45 MCU.C.47 MCU.C.48 MCU.C.52 MCU.C.53 OUB.C.60 OUB.C.61 POL.C.26 POL.C.27 POL.C.30 POL.C.31 POR.C.26 POR.C.27 POR.C.30 POR.C.31: library part "Cap 0.1uF 100V", "0805, X5R or better", Supplier Part Number 1=1276-6840-2-ND, Supplier 1=Digi-Key
CDC.C.35 CDC.C.36 CDC.C.38 ONS.C.6 ONS.C.7 ONS.C.8 ONS.C.11 ONS.C.12 ONS.C.16 ONS.C.17 ONS.C.18 ONS.C.62 ONS.C.63 OPS.C.13 OPS.C.19 OPS.C.20 OPS.C.21 OPS.C.22 OPS.C.34 REG.C.55: library part "Cap 10uF 25V", "0805, X5R or better", Supplier Part Number 1=81-GRM21BR61E106KA3L, Supplier 1=Mouser, Supplier 2=Digi-Key, Supplier Part Number 2=490-5523-1-ND
  REG.C.55: PNP-A=0, PNP-da=0, PNP-dx=0, PNP-dy=0, PNP-FeedType=Tape, PNP-Level=1, PNP-Lv=1, PNP-Nzl=2, PNP-PlacePriority=1, PNP-Pt=0, PNP-TapeIndex=1, PNP-TapeWidth=8, PNP-Thk=1.25, PNP-TS=70, PNP-Type=chi, PNP-Voff=0, PNP-W=0, PNP-X=2.00, PNP-Y=1.25
CDC.Ra.1: library part "Quad Res 1k 1% 1206", "Chip resistor"
CDC.U.10: "24-BIT, 96/192-kHz ASYNCHRONOUS STEREO AUDIO CODEC"
ICN.FB.3 ICN.FB.4 ICN.FB.5: "FERRITE BEAD 600 OHM 0805 1LN", Supplier Part Number 1=535-12556-1-ND, PNP-A=0, PNP-da=0, PNP-dx=0, PNP-dy=0, PNP-FeedType=Tape, PNP-Level=1, PNP-Lv=1, PNP-Nzl=2, PNP-PlacePriority=1, PNP-Pt=0, PNP-TapeIndex=1, PNP-TapeWidth=8, PNP-Thk=0.55, PNP-TS=70, PNP-Type=chi, PNP-Voff=0, PNP-W=0, PNP-X=2.00, PNP-Y=1.25, Supplier 1=Digi-Key
ICN.J.2: "USB-C (USB TYPE-C) USB 2.0 Receptacle Connector 24 (16+8 Dummy) Position Surface Mount, Right Angle; Through Hole", Supplier Part Number 1=670-DX07S016JA1R1500CT-ND, Supplier 1=Digi-Key, Supplier 2=Mouser, Supplier Part Number 2=656-DX07S016JA1R1500
ICN.R.14 ICN.R.15 ICN.R.16 ICN.R.17 MCU.R.10 ONS.R.29 OPS.R.1 OPS.R.7 OPS.R.8 REG.R.19 REG.R.20: library part "Res 10k 1% 0805", "Chip resistor", Supplier Part Number 1=RMCF0805FT10K0TR-ND, Supplier 1=Digi-Key
ICN.TP.1 ICN.TP.3 ICN.TP.12 MCU.TP.5 MCU.TP.6 MCU.TP.7 OCN.TP.13 OCN.TP.14 OCN.TP.15 ONS.TP.16 OPS.TP.17 OUB.TP.4 OUB.TP.10: "Test point, SMT ring (micro-hook compatible)", Supplier Part Number 1=952-2664-6-ND, Supplier 1=Digi-Key, Supplier 2=Digi-Key, Supplier 3=Arrow, Supplier Part Number 2=A106144DKR-ND, Supplier Part Number 3=z_4zPAhGJpPHHYBcC24zmONEz5elv0VZALWfNkICq0w
ICN.Z.1: "TVS DIODE 5.5V 6TSOP (Low capacitance, USB)", PNP-A=270, PNP-da=0, PNP-dx=0, PNP-dy=0, PNP-FeedType=Tape, PNP-Level=1, PNP-Lv=26, PNP-Nzl=2, PNP-PlacePriority=3, PNP-Pt=0, PNP-TapeIndex=1, PNP-TapeWidth=8, PNP-Thk=1, PNP-TS=90, PNP-Type=CHP, PNP-Voff=0, PNP-W=0, PNP-X=2.9, PNP-Y=1.3
MCH.FID.1 MCH.FID.2: library part FIDUCIAL_1.5, PNP-A=1, PNP-da=0, PNP-dx=0, PNP-dy=0, PNP-FeedType=Fiducial, PNP-Level=1, PNP-Lv=1, PNP-Nzl=2, PNP-PlacePriority=0, PNP-Pt=0, PNP-TapeIndex=0, PNP-TapeWidth=0, PNP-Thk=1.02, PNP-TS=70, PNP-Type=MARK1, PNP-Voff=0, PNP-W=0, PNP-X=4, PNP-Y=4
MCH.SP.1 MCH.SP.2 MCH.SP.3 MCH.SP.4 MCH.SP.5 MCH.SP.6 MCH.SP.7 MCH.SP.8 MCH.SP.9 MCH.SP.10 MCH.SP.11 MCH.SP.12: "Open square pad for spark gapping", PNP-A=0, PNP-da=0, PNP-dx=0, PNP-dy=0, PNP-FeedType=Tape, PNP-Level=1, PNP-Lv=1, PNP-Nzl=2, PNP-PlacePriority=1, PNP-Pt=0, PNP-TapeIndex=1, PNP-TapeWidth=8, PNP-Thk=1, PNP-TS=70, PNP-Type=CHI, PNP-Voff=0, PNP-W=0, PNP-X=1, PNP-Y=1
MCU.C.41 MCU.C.51 OPS.C.14 OPS.C.23 REG.C.54 REG.C.56 REG.C.57 REG.C.58: library part "Cap 1uF 25V", "0805, X5R or better", Supplier Part Number 1=1276-1066-2-ND, Supplier 1=Digi-Key, Supplier 2=Digi-Key, Supplier Part Number 2=1276-1066-1-ND
  REG.C.54 REG.C.56 REG.C.57 REG.C.58: PNP-A=0, PNP-da=0, PNP-dx=0, PNP-dy=0, PNP-FeedType=Tape, PNP-Level=1, PNP-Lv=1, PNP-Nzl=2, PNP-PlacePriority=1, PNP-Pt=0, PNP-TapeIndex=1, PNP-TapeWidth=8, PNP-Thk=1.25, PNP-TS=70, PNP-Type=chi, PNP-Voff=0, PNP-W=0, PNP-X=2.00, PNP-Y=1.25
MCU.C.49 MCU.C.50: library part "Cap 18pF 50V", "0603, C0G or better", Supplier Part Number 1=1292-1494-1-ND, Supplier 1=Digi-Key
MCU.J.4: "2-pin 0.100\" header", Supplier Part Number 1=855-M20-9990245, Supplier 1=Mouser, Supplier 2=Digi-Key, Supplier Part Number 2=952-2261-ND
MCU.R.9 MCU.R.13 MCU.R.18 OUB.R.3 OUB.R.4 OUB.R.25 OUB.R.26 REG.R.22: library part "Res 1k 1% 0805", "Chip resistor, 1/8W 100PPM", Supplier Part Number 1=RMCF0805FT1K00TR-ND, Supplier 1=Digi-Key
MCU.R.11 MCU.R.12: library part "Res 22R 1% 0805", "Chip resistor", Supplier Part Number 1=RMCF0805FT22R0CT-ND, Supplier 1=Digi-Key, Supplier 2=Arrow, Supplier Part Number 2=RMCF0805FT22R0
MCU.R.27 OPS.R.5 OPS.R.6 REG.R.21: library part "Res 100k 1% 0805", "Chip resistor", Supplier Part Number 1=RMCF0805FT100KTR-ND, Supplier 1=Digi-Key, Supplier 2=Digi-Key, Supplier Part Number 2=RMCF0805FT100KCT-ND
MCU.Ra.2 OUB.Ra.4: library part "Quad Res 10k 1% 1206", "Chip resistor"
MCU.U.11: Supplier Part Number 1=W25Q16JVSSIQ-ND, Supplier 1=Digi-Key
MCU.U.12: Supplier Part Number 1=49AJ8740, Supplier 1=Newark
MCU.Y.1: "12MHz Crystal 16pF 100 Ohms 4-SMD, No Lead (3.2mm x 2.5mm)", Supplier Part Number 1=XC2686CT-ND, Supplier 1=Digi-Key, Supplier 2=Mouser, Supplier Part Number 2=520-160-12-30B-AGMT
OCN.D.2: "12V 2-CHANNEL LOW CAPACITANCE BI-DIRECTIONAL TVS ARRAY"
OCN.J.3: "3.50mm (0.141\", 1/8\", Mini Plug) - Headphone Phone Jack Stereo (4 Conductor, TRRS) Connector Solder", Supplier Part Number 1=CP-43514SJCT-ND, Supplier 1=Digi-Key, Supplier 2=Mouser, Supplier Part Number 2=490-SJ-43514-SMT-TR
ONS.C.10 ONS.C.64: "220uF 16V Electrolytic Capacitor, SMD 6.3mm dia x 6.1mm height", Supplier Part Number 1=493-14527-1-ND, Voltage=16V, PNP-A=0, PNP-da=0, PNP-dx=0, PNP-dy=0, PNP-FeedType=Tape, PNP-Level=1, PNP-Lv=26, PNP-Nzl=6, PNP-PlacePriority=2, PNP-Pt=2, PNP-TapeIndex=3, PNP-TapeWidth=16, PNP-Thk=5.4, PNP-TS=70, PNP-Type=CAP, PNP-Voff=0, PNP-W=0, PNP-X=8.3, PNP-Y=1, Supplier 1=Digi-Key
ONS.D.3 ONS.D.4 OPS.D.5: "100V 2A Shottky Diode (Rectifier)", Supplier Part Number 1=512-SSA210, Supplier 1=Mouser, Supplier 2=Digi-Key, Supplier Part Number 2=SSA210CT-ND
ONS.L.2 OPS.L.1: "FIXED IND 10UH 3.1A 44.2MOHM SMD"
ONS.Q.1: "25-V N-Channel Power MOSFET, 20mOhm, 2nC Qg"
OPS.C.24 OUB.C.2 OUB.C.5: library part "Cap 820pF 25V", "0603, 5% C0G or better"
OPS.U.9: "LM2735 520-kHz Space-Efficient Boost and SEPIC DC/DC Regulator"
OUB.C.1 OUB.C.3 OUB.C.4 OUB.C.9: library part "Cap 56pF 50V", "0603, 5% C0G or better"
OUB.R.2 OUB.R.23 OUB.R.24 OUB.R.28: library part "Res 56k 1% 0603", "Chip resistor"
OUB.U.15 POL.U.4 POL.U.5 POL.U.6 POL.U.7 POR.U.4 POR.U.5 POR.U.6 POR.U.7: "36V, 10MHz, Low Distortion High Drive Rail-to-Rail Output Audio Operational Amplifiers", Supplier Part Number 1=OPA1688IDRGR, Supplier 1="Arrow Electronics", Supplier 2=Mouser, Supplier Part Number 2=595-OPA1688IDRGR
POL.Ra.5 POL.Ra.6 POR.Ra.5 POR.Ra.6: library part "Quad Res 1R 5% 1206", "Chip resistor"
REG.C.15: library part "Cap 100pF 100V", "0805, X5R or better", Supplier Part Number 1=1276-2426-1-ND, PNP-A=0, PNP-da=0, PNP-dx=0, PNP-dy=0, PNP-FeedType=Tape, PNP-Level=1, PNP-Lv=1, PNP-Nzl=2, PNP-PlacePriority=1, PNP-Pt=0, PNP-TapeIndex=1, PNP-TapeWidth=8, PNP-Thk=0.60, PNP-TS=70, PNP-Type=chi, PNP-Voff=0, PNP-W=0, PNP-X=2.00, PNP-Y=1.25, Supplier 1=Digi-Key, Supplier 2=Digi-Key, Supplier 3=Arrow, Supplier Part Number 2=1276-2426-2-ND, Supplier Part Number 3=L5XIfgkrxsBQF2sGZ85JNyFE59-nywaq7sHwLppiklbTEIlO4Ffw3x4_A6bjf4Mm
REG.U.3: "3.3V 150mA LDO regulator", Supplier Part Number 1=621-AP2202K-3.3TRG1, PNP-A=90, PNP-da=0, PNP-dx=0, PNP-dy=0, PNP-FeedType=Tape, PNP-Level=1, PNP-Lv=26, PNP-Nzl=2, PNP-PlacePriority=3, PNP-Pt=0, PNP-TapeIndex=1, PNP-TapeWidth=8, PNP-Thk=1, PNP-TS=90, PNP-Type=CHP, PNP-Voff=0, PNP-W=0, PNP-X=2.9, PNP-Y=1.3, Supplier 1=Mouser, Supplier 2=Digi-Key, Supplier 3=Arrow, Supplier Part Number 2=AP2202K-3.3TRG1DICT-ND, Supplier Part Number 3=PWagzdsTFFHKE_U17B45SP-NtndBrheJIaI5hB7gHD0ZVywxIBNyoAQstvnyfZZ0
REG.U.13: "300mA HIGH PSRR LOW NOISE LDO WITH ENABLE", Supplier Part Number 1=AP2202K-ADJTRG1DICT-ND, Supplier 1=Digi-Key, Supplier 2=Digi-Key, Supplier Part Number 2=576-1262-1-ND

## Via types
v1: diameter 0.7, hole 0.3, Top Layer to Bottom Layer, tented both sides, 158 vias
v2: diameter 1.2, hole 0.5, Top Layer to Bottom Layer, tented both sides, 61 vias
v3: diameter 1.016, hole 0.508, Top Layer to Bottom Layer, tented both sides, 12 vias
v4: diameter 6, hole 5.5, Top Layer to Bottom Layer, 2 vias
v5: diameter 1, hole 0.4, Top Layer to Bottom Layer, tented both sides, 1 vias

## Nets (pads, with @x,y where several pads share a name; then routed paths per layer and width w, separated by ;. In a path a pad name is that pad's centre, name@x,y a point inside that pad or via, vN(x,y) a via of type N, cw(c..) or ccw(c..) an arc to the next point about the centre after c; other vN are vias at no path point)
1V1: MCU.C.51.2 MCU.C.52.2 MCU.C.53.2 MCU.U.12.23 MCU.U.12.45 MCU.U.12.50 | length 25.7
  Top Layer w0.2: MCU.C.51.2@17.727,12.3 18.327,12.3 cw(c18.327,11.642) 18.793,12.107 19,11.9 cw(c18.517,11.417) 19.2,11.417 19.2,11.4 ccw(c20.407,11.4) 19.554,10.546 19.6,10.5 ccw(c20.083,10.983) 20.083,10.3 MCU.U.12.45@20.55,10.3 ; MCU.C.53.2@17.852,7.6 ccw(c17.852,7.715) 17.934,7.634 18.5,8.2 cw(c18.741,7.959) 18.741,8.3 MCU.U.12.50@20.55,8.3 ; MCU.U.12.23@27.4,9.1 27.848,9.1 ccw(c27.848,11.64) 29.644,9.844 30.297,10.497 ccw(c29.994,10.8) MCU.C.52.2@30.423,10.8
  Plane 3 w0.7: v1(18.806,7.989) 18.895,7.989 ccw(c18.895,9.051) 19.646,8.3 ccw(c19.032,8.914) 19.9,8.914 19.9,10.1 ccw(c18.451,10.1) 19.81,10.604 ; v1(19,11.6) 19.476,11.124 cw(c18.451,10.1) 19.81,10.604 ; v1(29.4,9.8) 28.886,9.8 cw(c28.886,11.507) 27.679,10.3 27.023,10.956 ccw(c25.227,9.16) 25.227,11.7 22.607,11.7 ccw(c22.607,9.993) 21.4,11.2 cw(c19.96,12.64) 19.96,10.604 19.81,10.604
3V3: CDC.C.25.2 CDC.C.35.2 CDC.Ra.1.5 CDC.Ra.1.6 CDC.U.10.7 MCU.C.40.2 MCU.C.41.2 MCU.C.42.2 MCU.C.43.2 MCU.C.44.2 MCU.C.45.2 MCU.C.47.2 MCU.C.48.2 MCU.R.10.1 MCU.R.18.1 MCU.Ra.2.1 MCU.U.11.8 MCU.U.12.1 MCU.U.12.10 MCU.U.12.22 MCU.U.12.33 MCU.U.12.42 MCU.U.12.43 MCU.U.12.44 MCU.U.12.48 MCU.U.12.49 REG.C.55.2 REG.C.56.2 REG.U.3.5 | length 55.8
  Top Layer w0.2: MCU.C.42.2@20,4.152 20.603,4.755 cw(c21.375,3.983) MCU.U.12.1@21.375,5.075 ; MCU.U.12.10@24.975,5.075 24.975,3.228 ccw(c25.581,3.228) MCU.C.43.2@25.152,2.8 ; MCU.U.12.33@24.975,11.925 24.975,12.406 cw(c26.946,12.406) MCU.C.45.2@25.552,13.8 ; MCU.U.12.22@27.4,8.7 MCU.C.44.2@30.423,8.7
  Top Layer w0.3: MCU.Ra.2.1@24.55,18.6 24.817,18.6 cw(c24.817,17.917) 25.3,18.4 cw(c24.817,17.917) 25.5,17.917 25.5,13.927 ccw(c25.679,13.927) MCU.C.45.2@25.552,13.8
  Top Layer w0.38: CDC.C.25.2@39.775,6.752 ccw(c40.324,7.301) 40.324,6.525 CDC.U.10.7@42.025,6.525 42.719,6.525 ccw(c42.719,6.781) 42.9,6.6 43.017,6.717 cw(c43.7,6.034) 43.7,7 v1(43.6,7)
  Top Layer w0.45: MCU.R.18.1@32.477,12.8 cw(c32.477,11.538) 33.37,12.43 34.8,11 ; CDC.Ra.1.6@37.725,9.8 CDC.Ra.1.5@37.725,10.6 35.766,10.6 cw(c35.766,11.966) 34.801,10.999 ; CDC.C.35.2@37.775,6.752 cw(c37.775,8.75) 36.363,7.337 35.966,7.734 cw(c37.331,9.1) 35.4,9.1 35.4,9.551 ccw(c33.351,9.551) 34.801,10.999 ; 34.8,11 ccw(c35.766,11.966) 34.801,10.999 ; 34.8,11 cw(c33.351,9.551) 34.801,10.999
  Top Layer w0.6: 20.4,8.9 21.159,8.9 ccw(c21.159,9.241) 21.4,9 ccw(c20.917,9.483) 21.6,9.483 21.6,9.951 ccw(c19.551,9.951) 21,11.4
  Top Layer w0.65: MCU.U.11.8@5.425,6.695 5.425,5.515 ccw(c5.937,5.515) MCU.C.40.2@5.575,5.152 ; MCU.R.10.1@7.473,4.5 ccw(c7.117,4.5) 7.368,4.752 6.11,6.01 ; MCU.U.11.8@5.425,6.695 cw(c5.063,6.333) 5.575,6.333 ; MCU.U.11.8@5.425,6.695 cw(c5.063,6.333) 5.575,6.333 ; MCU.U.11.8@5.425,6.695 6.11,6.01 ; MCU.C.40.2@5.575,5.152 cw(c6.354,5.152) 5.803,5.703 6.11,6.01 ; MCU.C.40.2@5.575,5.152 5.575,6.333
  Top Layer w0.8: REG.C.55.2@32.4,16.902 ccw(c32.4,16.425) 32.063,16.763 31.4,16.1 ccw(c32.366,15.134) 31,15.134 31,14.7 ccw(c32.02,14.7) 31.299,13.979 MCU.R.18.1@32.477,12.8
  Top Layer w1: REG.C.55.2@32.4,16.902 36.135,16.902 ccw(c36.135,17.065) REG.U.3.5@36.25,16.95 v1(35.5,16.2) ; v1(35.6,17.6) REG.U.3.5@36.25,16.95 ; CDC.C.35.2@37.775,6.752 CDC.C.25.2@39.775,6.752
  other v1: 24.8,3.9 20.7,5.1 36.3,6.9 35.6,7.6 29.7,8.9 18.8,9.1 21.7,9.717 36.7,10.3 20.3,11.9 33.6,12.7 20.106,12.889 30.6,15.2 25.5,15.3 31.1,16.3
  other v2: 6.9,5.9
4V6: CDC.C.36.2 CDC.C.37.2 CDC.U.10.24 REG.C.58.2 REG.R.19.2 REG.R.20.2 REG.R.21.2 REG.U.13.5 | length 20
  Top Layer w0.38: CDC.C.36.2@46.452,12.4 cw(c44.406,12.4) 45.853,10.953 ; REG.C.58.2@48.498,12.5 48.452,12.5 ccw(c48.452,9.96) 46.656,11.756 45.853,10.953 ; CDC.C.37.2@50.275,8.148 cw(c49.496,8.926) 49.496,7.825 CDC.U.10.24@48.125,7.825 46.705,7.825 cw(c46.705,9.105) 45.8,8.2 cw(c46.524,8.924) 45.5,8.924 45.5,10.176 cw(c46.524,10.176) 45.8,10.9 45.853,10.953
  Top Layer w1: REG.R.19.2@42.7,14.298 REG.R.21.2@44.7,14.298 REG.R.20.2@46.7,14.298 48.323,14.298 ccw(c48.323,14.476) REG.U.13.5@48.45,14.35 cw(c48.335,14.235) 48.498,14.235 REG.C.58.2@48.498,12.5